# Altium PCB PCB_2_LAYER.PcbDoc (part 2 of 2)
Units mm, origin at the board's own origin, x right, y up, seen from the top; angles counter-clockwise.
Board outline 124.97 x 105.28 mm, 2 copper layers (Top Layer, Bottom Layer); 125 components, 113 nets, 460 pads, 197 vias.
Unrouted connection lines stored in the file: 136.
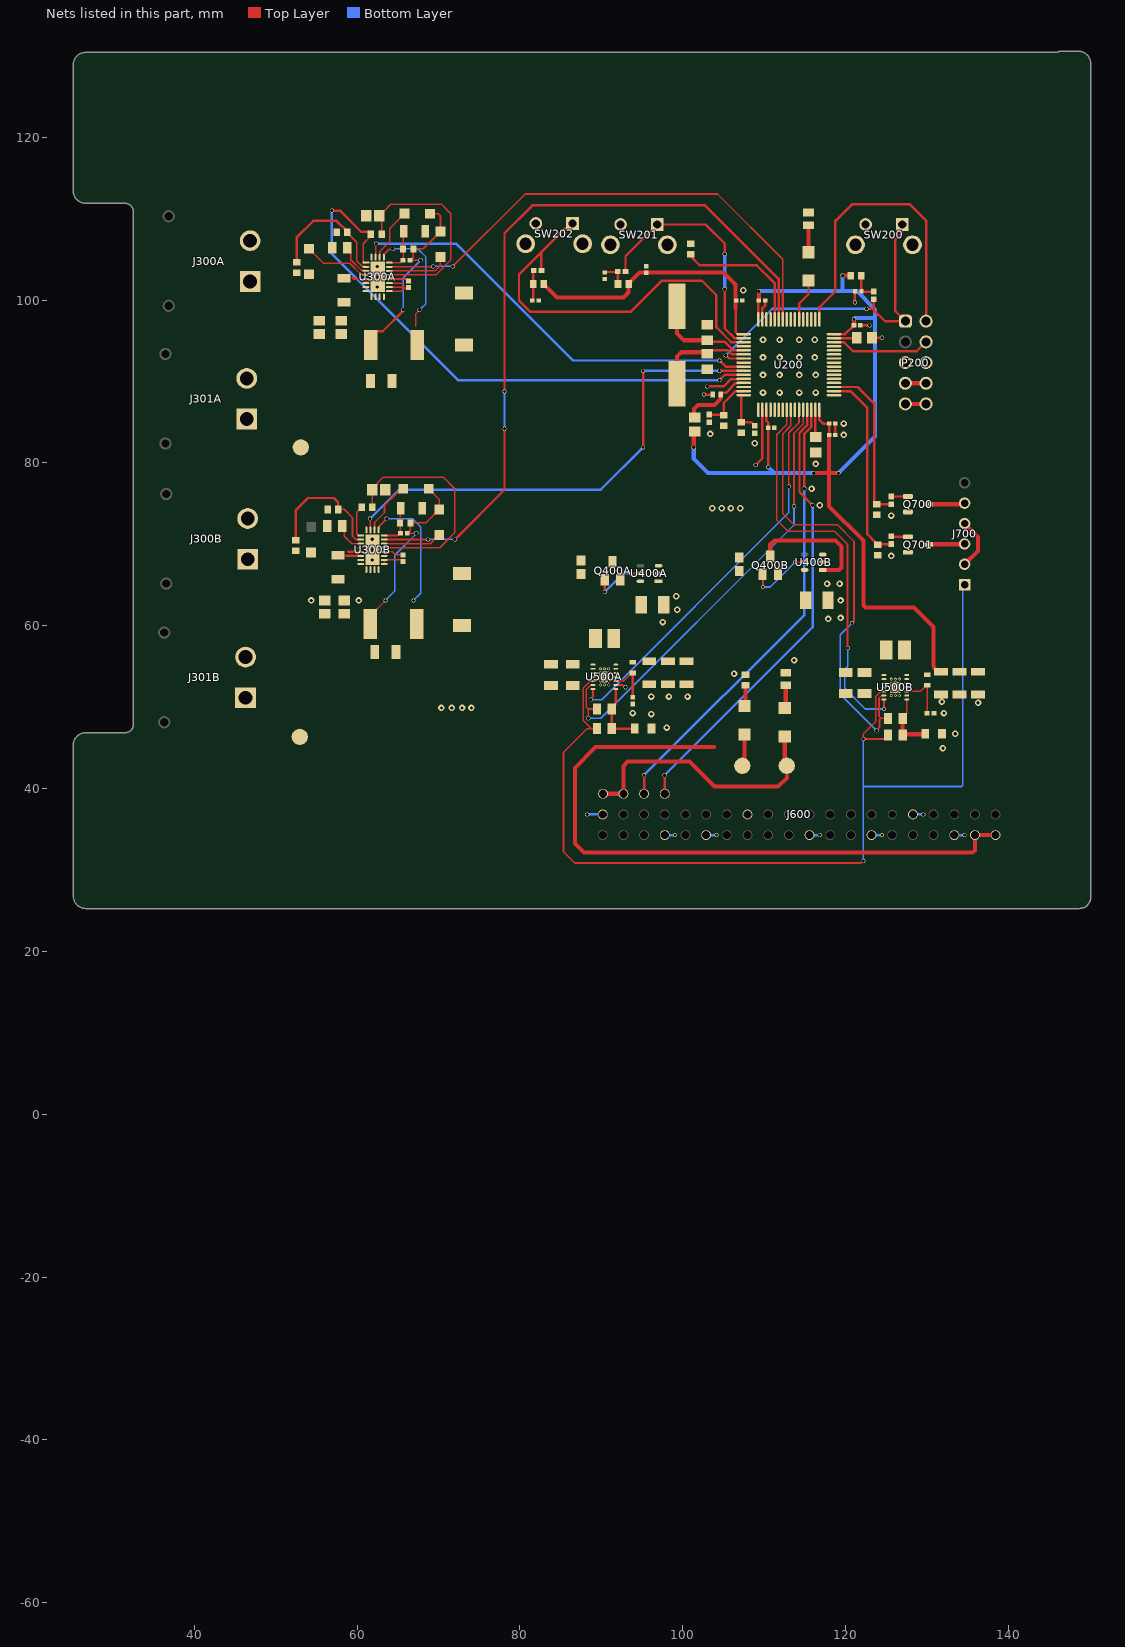
[diagram p2: the nets of this part, all layers, seen from the top]

## Via types
v1: diameter 0.5, hole 0.4, Top Layer to Bottom Layer, tented both sides, 65 vias
v2: diameter 0.8, hole 0.4, Top Layer to Bottom Layer, tented both sides, 63 vias
v3: diameter 0.5, hole 0.5, Top Layer to Bottom Layer, 35 vias
v4: diameter 0.35, hole 0.2, Top Layer to Bottom Layer, 30 vias
v5: diameter 5, hole 3.1, Top Layer to Bottom Layer, 4 vias

## Nets (pads, with @x,y where several pads share a name; then routed paths per layer and width w, separated by ;. In a path a pad name is that pad's centre, name@x,y a point inside that pad or via, vN(x,y) a via of type N, cw(c..) or ccw(c..) an arc to the next point about the centre after c; other vN are vias at no path point)
3,3V: C200.2 C201.2 C202.2 C203.2 C204.2 C205.2 C214.2 C502B.2 C503B.2 C504B.2 D701.2 J600.41 J600.42 L200.1 R204.2 R205.2 R206.2 R501B.2 TP700A.1 U200.1 U200.19 U200.32 U200.48 U200.64 U500B.4 U500B.5 | length 188.2
  Top Layer w0.3: 106.501,98.985 106.501,96.055 106.73,95.826 U200.1@107.48,95.826 ; U200.64@109.28,97.626 109.28,98.376 C205.2@109.28,99.91 ; U200.19@110.28,86.526 110.28,85.173 110.491,84.962 C201.2@110.491,84.328 C201.2@110.491,84.328 v1(110.49,79.502) ; U200.32@116.78,86.526 116.78,85.277 117.221,84.836 C202.2@117.984,84.836 C203.2@117.984,83.439 ; U200.48@118.58,95.826 119.888,95.826 119.937,95.826 121.012,96.901 C204.2@121.032,96.901
  Top Layer w0.5: R206.2@82.931,101.981 82.931,101.906 83.081,101.756 83.156,101.756 84.582,100.33 92.71,100.33 93.345,100.965 93.345,102.056 94.667,103.378 105.029,103.378 106.501,101.906 106.501,98.985 ; J600.41@90.208,39.37 J600.42@92.71,39.37 92.71,42.799 93.218,43.307 100.838,43.307 103.886,40.259 111.721,40.259 112.776,41.314 112.776,41.529 ; v1(101.346,81.915) 101.346,83.722 L200.1@101.473,83.849 ; v1(109.347,101.092) v1(109.347,101.092) C205.2@109.348,99.949 ; D701.2@112.522,46.383 112.522,43.053 TP700A.1@112.776,42.799 ; v1(116.078,78.74) 117.729,78.74 117.984,78.995 ; C203.2@117.984,83.439 117.984,78.995 ; v1(119.126,78.74) 118.239,78.74 117.984,78.995 ; v1(119.634,102.997) R204.2@120.635,102.997 ; v1(121.031,97.663) C204.2@121.032,96.901 C204.2@121.032,96.901 ; C502B.2@131.699,54.359 131.324,54.359 130.937,54.746 130.937,54.864 130.775,55.026 130.775,59.852 128.397,62.23 122.467,62.23 122.174,62.523 122.174,70.485 117.984,74.675 117.984,78.995
  Bottom Layer w0.5: v1(101.346,81.915) 101.346,80.518 103.124,78.74 111.252,78.74 ; v1(109.347,101.092) 119.634,101.092 ; v1(110.49,79.502) 111.252,78.74 ; v1(116.078,78.74) 111.252,78.74 ; v1(119.126,78.74) 123.636,83.25 123.636,97.79 ; v1(119.634,102.997) 119.634,101.092 ; v1(121.031,97.663) 121.158,97.79 123.636,97.79 ; 119.634,101.092 121.386,101.092 123.636,98.842 123.636,97.79
3,3VDDA: C206.2 L200.2 U200.13 | length 8.7
  Top Layer w0.3: C206.2@104.778,88.607 105.304,88.607 106.494,89.797 106.956,89.797 106.985,89.826 U200.13@107.48,89.826
  Top Layer w0.5: L200.2@101.092,85.569 101.358,85.835 101.358,86.626 101.854,87.122 103.9,87.122 104.618,87.84 104.618,88.362 C206.2@104.648,88.392
5V: C502A.2 C503A.2 C504A.2 D702.2 J600.2 J600.4 R501A.2 TP700B.1 U500A.4 U500A.5 | length 85.5
  Top Layer w0.5: 103.859,45.085 89.281,45.085 86.741,42.545 86.741,33.274 87.884,32.131 135.597,32.131 135.89,32.424 J600.4@135.89,34.29 J600.2@138.43,34.29 ; TP700B.1@107.315,42.799 107.569,43.053 D702.2@107.569,46.637
BIAS: NT3A.1 U300A.18 | length 7.6
  Top Layer w0.2: U300A.18@63.968,103.592 66.925,103.592 66.927,103.59 69.57,103.59 70.21,104.23 70.21,105.262 NT3A.1@70.231,105.283
"BIAS B": NT3B.1 U300B.18 | length 7.2
  Top Layer w0.2: U300B.18@63.333,70.088 66.308,70.088 66.334,70.062 68.996,70.062 NT3B.1@70.098,71.164
"C LED3V3": D701.1 R704.2 | length 2.7
  Top Layer w0.5: D701.1@112.522,49.883 112.649,50.01 R704.2@112.649,52.578
"C LED5V": D702.1 R706.2 | length 2.6
  Top Layer w0.5: D702.1@107.569,50.137 107.696,50.264 R706.2@107.696,52.705
"C LED USE": D700.1 R705.2 | length 3.3
  Top Layer w0.5: D700.1@115.443,105.89 R705.2@115.443,109.207
EN: NT1A.2 U300A.4 | length 8.3
  Top Layer w0.2: NT1A.2@54.102,106.299 55.88,104.521 59.106,104.521 60.486,103.14 61.079,103.14 U300A.4@61.087,103.132
"EN B": NT1B.2 U300B.4 | length 7.2
  Top Layer w0.2: NT1B.2@54.356,72.136 56.261,70.231 58.635,70.231 59.278,69.588 U300B.4@60.452,69.588
"EN B": J700.1 R502A.1 R502B.1 U500A.12 U500B.12 | length 124.5
  Top Layer w0.2: U500A.12@88.977,53.221 88.969,53.213 88.63,53.213 87.757,52.341 87.757,48.387 88.773,47.371 ; R502A.1@89.48,47.371 88.773,47.371 ; v1(122.174,31.115) 122.161,31.115 121.907,30.861 86.741,30.861 85.344,32.258 85.344,44.45 88.265,47.371 88.773,47.371 ; U500B.12@124.708,51.943 124.7,51.935 124.329,51.935 123.708,51.314 123.708,50.048 123.698,50.038 123.698,48.231 122.174,46.707 v1(122.174,46.101) 124.811,46.101 125.211,46.501 R502B.1@125.211,46.609
  Bottom Layer w0.2: v1(122.174,31.115) 122.174,40.259 ; v1(122.174,46.101) 122.174,40.259 ; J700.1@134.62,65.057 134.366,64.803 134.366,40.376 134.249,40.259 122.174,40.259
FB: C303A.2 R303A.1 R306A.2 U300A.20 | length 5.1
  Top Layer w0.2: U300A.20@63.968,104.592 65.324,104.592 65.634,104.902 R303A.1@65.659,104.902 C303A.2@65.659,106.299 R306A.2@65.659,108.204
"FB B": C303B.2 R303B.1 R306B.2 U300B.20 | length 5.3
  Top Layer w0.2: U300B.20@63.333,71.088 65.006,71.088 65.292,71.374 R303B.1@65.317,71.374 65.317,72.742 65.288,72.771 65.288,74.487 R306B.2@65.35,74.549
"FB TPS": R501A.1 R503A.2 U500A.3 | length 5.4
  Top Layer w0.2: U500A.3@91.777,53.221 92.76,53.221 93.753,54.214 R501A.1@93.853,54.214 ; R503A.2@93.867,51.181 R503A.2@93.892,51.181
  Top Layer w0.3: R503A.2@93.853,51.283 R501A.1@93.853,54.214
"FB TPS B": R501B.1 R503B.2 U500B.3 | length 6.3
  Top Layer w0.2: U500B.3@127.508,51.943 129.201,51.943 129.948,52.69 R501B.1@130.048,52.69 130.026,52.668 130.026,49.298 R503B.2@130.004,49.276
G1: Q700.1 R700.2 | length 2
  Top Layer w0.3: R700.2@125.603,75.88 Q700.1@127.65,75.88
G2: R702.1 R703.2 U200.34 | length 24
  Top Layer w0.3: U200.34@118.58,88.826 120.597,88.826 122.682,86.741 122.682,71.247 123.627,70.302 123.627,70.227 123.877,69.977 R703.2@123.952,69.977 123.985,70.01 125.57,70.01 R702.1@125.603,70.043
GND: C200.1 C201.1 C202.1 C203.1 C204.1 C205.1 C206.1 C207.2 C208.2 C209.2 C210.2 C211.2 C212.2 C213.2 C214.1 C301A.2 C301B.2 C304A.2 C304B.2 C305A.2 C305B.2 C306A.1 C306B.1 C400A.2 C400B.2 C401A.2 C401B.2 C500A.1 C500B.1 C501A.1 C501B.1 C502A.1 C502B.1 C503A.1 C503B.1 C504A.1 C504B.1 C505A.2 C505B.2 J300A.N J300B.N J301A.N J301B.N J600.6 J600.9 J600.14 J600.20 J600.25 J600.30 J600.34 J600.39 P200.5 P200.6 Q700.2 Q701.2 R202.1 R203.1 R210.1 R304A.2 R304B.2 R305A.1 R305B.1 R306A.1 R306B.1 R503A.1 R503B.1 R701.1 R703.1 R704.1 R705.1 R706.1 SW200.2 SW200.3 SW200.4 SW201.2 SW201.3 SW201.4 SW202.2 SW202.3 SW202.4 U200.12 U200.18 U200.63 U300A.7 U300A.8 U300A.9 U300A.10 U300A.11 U300A.12 U300A.25 U300B.7 U300B.8 U300B.9 U300B.10 U300B.11 U300B.12 U300B.25 U400A.2 U400A.3 U400B.2 U400B.3 U500A.2 U500A.15 U500B.2 U500B.15 | length 30.8
  Top Layer w0.2: U500A.2@91.777,52.721 92.613,52.721 92.883,52.451 v1(92.964,52.451)
  Top Layer w0.3: v1(102.616,88.392) C206.1@103.678,88.392 ; v1(102.997,89.408) 105.029,89.408 105.918,90.297 U200.12@106.807,90.297 ; v1(108.966,79.756) 109.78,80.57 U200.18@109.78,86.526 ; U200.63@109.78,97.626 109.78,98.996 110.108,99.324 C205.1@110.108,99.949 ; C203.1@118.744,83.439 C202.1@118.744,84.836 ; C207.2@121.139,101.092 121.149,101.082 121.149,99.704 v1(121.158,99.695) ; C204.1@121.792,96.901 v1(122.936,96.901) ; C212.2@123.255,95.374 123.259,95.377 v1(124.46,95.377)
  Bottom Layer w0.3: v1(88.265,36.83) J600.39@90.17,36.83 ; J600.34@97.79,34.29 v1(99.06,34.29) ; J600.30@102.87,34.29 v1(104.14,34.29) ; J600.20@115.57,34.29 v1(116.84,34.29) ; J600.14@123.19,34.29 v1(124.46,34.29) ; J600.9@128.27,36.83 v1(129.54,36.83) ; J600.6@133.35,34.29 v1(134.62,34.29)
  other v2: 131.953,44.958 133.477,46.736 98.044,47.498 96.139,49.149 93.853,49.276 132.08,49.276 136.271,50.546 131.826,50.673 96.139,51.308 98.298,51.308 100.584,51.308 106.299,54.102 113.665,55.753 97.536,60.452 117.856,60.833 119.38,60.96 99.314,61.976 54.356,63.119 60.198,63.119 119.38,63.119 99.187,63.627 117.729,65.151 119.253,65.151 61.849,68.072 125.603,68.58 61.893,69.338 61.849,70.612 125.603,73.533 116.84,74.803 115.824,76.835 116.332,79.883 108.839,82.423 119.761,83.439 103.378,83.566 119.761,84.836 109.855,88.646 111.887,88.646 114.3,88.646 116.332,88.646 109.855,90.805 111.887,90.805 114.3,90.805 116.332,90.805 109.855,92.964 111.887,92.964 114.3,92.964 116.205,92.964 109.855,95.123 111.887,95.123 114.3,95.123 116.205,95.123 107.442,101.219 62.484,101.6 62.528,102.842 62.484,104.14
  other v4: 125.608,51.443 126.108,51.443 126.608,51.443 125.608,51.943 126.108,51.943 126.608,51.943 125.608,52.443 126.108,52.443 126.608,52.443 89.877,52.721 90.377,52.721 90.877,52.721 125.608,52.943 126.108,52.943 126.608,52.943 89.877,53.221 90.377,53.221 90.877,53.221 125.608,53.443 126.108,53.443 126.608,53.443 89.877,53.721 90.377,53.721 90.877,53.721 89.877,54.221 90.377,54.221 90.877,54.221 89.877,54.721 90.377,54.721 90.877,54.721
ICTRL: U300A.24
"ICTRL B": U300B.24
INTVcc: C306A.2 R302A.2 U300A.17 | length 26.4
  Top Layer w0.2: R302A.2@63.007,107.95 63.007,110.094 C306A.2@62.738,110.363 62.738,110.438 63.288,110.988 63.363,110.988 64.135,111.76 70.358,111.76 71.501,110.617 71.501,104.929 69.664,103.092 U300A.17@63.968,103.092
"INTVcc B": C306B.2 R302B.2 U300B.17 | length 28.5
  Top Layer w0.2: R302B.2@61.849,74.549 C306B.2@61.849,76.708 61.849,76.783 62.499,77.433 62.499,77.557 63.174,78.232 70.622,78.232 72.009,76.845 72.009,71.451 70.146,69.588 U300B.17@63.333,69.588
ISN: NT2A.1 U300A.22 | length 6.6
  Top Layer w0.2: U300A.22@62.778,105.283 62.786,105.291 62.786,105.966 64.008,107.188 64.008,108.801 NT2A.1@65.83,110.623
"ISN B": NT2B.1 U300B.22 | length 6.7
  Top Layer w0.2: U300B.22@62.143,71.779 62.143,72.684 63.373,73.914 63.373,74.803 64.92,76.35 65.174,76.35 NT2B.1@65.659,76.835
ISP: C302A.1 L300A.2 R300A.1 U300A.21 | length 15.2
  Top Layer w0.2: U300A.21@63.277,105.283 63.277,105.573 63.946,106.242 64.332,106.242 v1(64.389,106.299) ; 67.183,96.774 67.183,98.298 v1(67.691,98.806)
  Bottom Layer w0.2: v1(64.389,106.299) 67.437,106.299 68.453,105.283 68.453,99.568 v1(67.691,98.806)
"ISP B": C320B.1 L300B.2 R300B.1 U300B.21 | length 16.3
  Top Layer w0.2: U300B.21@62.643,71.779 62.651,71.787 62.651,72.176 v1(63.627,73.152)
  Top Layer w0.5: L300B.2@72.644,59.704 L300B.2@72.644,59.919 ; L300B.2@72.683,59.831 L300B.2@72.898,60.046
  Bottom Layer w0.2: v1(63.627,73.152) 66.802,73.152 67.818,72.136 67.818,64.008 v1(66.929,63.119)
NetC210_1: C210.1 U200.6 Y200.1 | length 11.4
  Top Layer w0.3: C210.1@102.994,93.402 103.444,93.852 104.647,93.852 104.651,93.856 105.494,93.856 106.024,93.326 U200.6@106.684,93.326
  Top Layer w0.5: Y200.1@99.314,89.738 99.314,93.091 99.822,93.599 102.796,93.599 C210.1@102.994,93.402
NetC211_1: C211.1 U200.5 Y200.2 | length 12.4
  Top Layer w0.3: C211.1@103,95.066 103.198,94.869 105.188,94.869 106.231,93.826 U200.5@107.48,93.826
  Top Layer w0.5: Y200.2@99.314,99.238 99.314,95.885 100.133,95.066 C211.1@103,95.066
NetC212_1: C212.1 U200.47 | length 2.4
  Top Layer w0.3: U200.47@118.58,95.326 120.927,95.326 C212.1@120.974,95.374
NetC213_1: C213.1 U200.31 | length 3.4
  Top Layer w0.2: C213.1@116.28,83.237 C213.1@116.332,83.185
  Top Layer w0.3: C213.1@116.28,83.237 U200.31@116.28,86.526
NetC300A_1: C300A.1 U300A.16 | length 2.4
  Top Layer w0.2: U300A.16@63.968,102.592 66.064,102.592 C300A.1@66.294,102.362
NetC300B_1: C300B.1 U300B.16 | length 2.5
  Top Layer w0.2: U300B.16@63.333,69.088 64.357,69.088 64.738,68.707 C300B.1@65.659,68.707
NetC302A_2: C302A.2 C303A.1 C304A.1 C305A.1 C400A.1 J301A.P NT2A.2 NT3A.2 Q400A.3 R200.2 R300A.2 R303A.2 TP300A.1 U400A.1 | length 23.8
  Top Layer w0.2: R303A.2@66.509,104.902 R303A.2@66.534,104.902 ; v1(67.818,104.902) R303A.2@66.534,104.902 ; NT2A.2@68.961,110.617 69.977,110.617 70.237,110.357 NT3A.2@70.237,108.414 69.109,107.286 69.109,107.284 68.124,106.299 C303A.1@66.909,106.299 66.909,105.277 R303A.2@66.534,104.902
  Top Layer w0.3: R300A.2@61.661,94.488 61.661,95.503 62.336,96.178 63.158,96.178 65.559,98.579 65.559,98.652 65.659,98.752 v1(65.659,98.806)
  Bottom Layer w0.2: v1(65.659,98.806) 65.659,102.743 v1(67.818,104.902)
NetC303B_1: C303B.1 C304B.1 C305B.1 C320B.2 C400B.1 J301B.P NT2B.2 NT3B.2 Q400B.3 R201.2 R300B.2 R303B.2 TP300B.1 U400B.1 | length 39.3
  Top Layer w0.2: R300B.2@61.6,60.198 61.6,61.213 63.5,63.113 v1(63.5,63.119) ; R303B.2@66.167,71.374 R303B.2@66.192,71.374 ; v1(67.268,71.374) R303B.2@66.192,71.374 ; NT2B.2@68.79,76.829 70.104,75.515 NT3B.2@70.104,74.295 68.453,72.644 C303B.1@66.538,72.644 66.538,71.72 R303B.2@66.192,71.374
  Top Layer w0.5: R300B.2@61.474,59.818 R300B.2@61.6,59.944 ; Q400B.3@110.744,68.537 110.744,69.977 111.252,70.485 118.745,70.485 119.507,69.723 119.507,67.161 119.214,66.868 U400B.1@117.193,66.868
  Bottom Layer w0.2: v1(63.5,63.119) 64.643,64.262 64.643,68.665 67.121,71.143 67.121,71.146 67.268,71.293 v1(67.268,71.374)
  other v2: 70.358,49.911 71.628,49.911 72.898,49.911 74.041,49.911 103.632,74.422 104.775,74.422 105.918,74.422 107.061,74.422
NetC401A_1: 
NetC401B_1: 
NetD700_2: D700.2 U200.54 | length 5.2
  Top Layer w0.3: U200.54@114.28,97.626 114.28,99.548 115.443,100.711 D700.2@115.443,102.39
NetL500A_1: L500A.1 U500A.6 U500A.7
NetL500A_2: L500A.2 U500A.8 U500A.9
NetL500B_1: L500B.1 U500B.6 U500B.7
NetL500B_2: L500B.2 U500B.8 U500B.9
NetQ400A_1: Q400A.1 U400A.5 | length 6.8
  Top Layer w0.3: v1(90.424,64.135) Q400A.1@90.424,65.659 ; v1(93.599,66.421) U400A.5@94.797,66.421
  Bottom Layer w0.3: v1(90.424,64.135) 92.71,66.421 v1(93.599,66.421)
NetQ400B_1: Q400B.1 U400B.5 | length 8
  Top Layer w0.2: Q400B.1@109.794,66.337 109.855,66.276 v1(109.855,64.77) ; v1(113.792,67.818) U400B.5@114.963,67.818
  Bottom Layer w0.2: v1(109.855,64.77) 110.744,64.77 v1(113.792,67.818)
NetQ701_1: Q701.1 R702.2 | length 2.1
  Top Layer w0.3: R702.2@125.603,70.993 125.636,70.96 127.617,70.96 Q701.1@127.65,70.927
NetR210_2: R210.2 U200.60 | length 16.1
  Top Layer w0.3: R210.2@100.965,105.395 102.093,104.267 109.093,104.267 111.28,102.08 U200.60@111.28,97.626
NetR302A_1: R302A.1 U200.11 U300A.1 | length 72.2
  Top Layer w0.2: U300A.1@61.087,104.592 60.793,104.592 60.771,104.613 60.771,106.939 R302A.1@61.707,107.875
  Top Layer w0.3: v1(56.896,110.998) 57.906,110.998 60.502,108.402 61.457,108.402 61.707,108.152 R302A.1@61.707,108.077 ; v1(104.521,90.17) 105.156,90.805 U200.11@107.061,90.805
  Bottom Layer w0.3: v1(56.896,110.998) 56.896,105.664 72.39,90.17 v1(104.521,90.17)
NetR500A_1: R500A.1 U200.28 U500A.13 | length 55.5
  Top Layer w0.2: v1(88.392,48.641) 88.392,49.784 ; U500A.13@88.977,52.721 88.969,52.713 88.695,52.713 88.157,52.175 88.157,50.019 88.392,49.784 ; R500A.1@89.48,49.784 88.392,49.784 ; v1(113.665,74.676) 113.665,83.656 114.78,84.771 U200.28@114.78,86.526
  Bottom Layer w0.2: v1(88.392,48.641) 89.932,48.641 113.665,72.374 v1@113.665,74.66
NetR500B_1: R500B.1 U200.25 U500B.13 | length 55.1
  Top Layer w0.2: U200.25@113.28,86.526 113.28,84.578 112.268,83.566 112.268,73.787 113.665,72.39 118.999,72.39 121.031,70.358 121.031,60.592 120.777,60.338 v1(120.777,60.325) ; v1(123.825,47.117) 123.825,47.198 124.165,47.538 124.165,48.473 124.333,48.641 ; U500B.13@124.708,51.443 124.517,51.443 124.437,51.363 124.354,51.363 124.108,51.117 124.108,48.866 124.333,48.641 ; R500B.1@125.211,48.641 124.333,48.641
  Bottom Layer w0.2: v1(120.777,60.325) 119.338,58.886 119.338,51.604 v1(123.825,47.117)
NetR700_1: R700.1 R701.2 U200.35 | length 20.1
  Top Layer w0.3: U200.35@118.58,89.326 121.49,89.326 121.666,89.15 123.5,87.316 123.5,75.195 123.757,74.937 125.596,74.937 R700.1@125.603,74.93 R700.1@125.594,74.921
NetU200_9: U200.9 U300A.23 | length 53
  Top Layer w0.2: U300A.23@62.277,105.299 62.277,106.773 62.357,106.853 v1(62.357,106.934)
  Top Layer w0.3: v1(104.521,92.583) 105.278,91.826 U200.9@107.48,91.826
  Bottom Layer w0.3: v1(62.357,106.934) 72.15,106.934 86.501,92.583 v1(104.521,92.583)
NetU200_10: U200.10 U300B.23 | length 60.4
  Top Layer w0.2: v1(61.595,73.152) 61.634,73.113 61.634,71.787 U300B.23@61.643,71.779
  Top Layer w0.3: v1(95.123,81.915) v1(95.123,91.313) ; v1(104.521,91.313) U200.10@107.55,91.313
  Bottom Layer w0.3: v1(61.595,73.152) 65.151,76.708 89.916,76.708 v1(95.123,81.915) ; v1(95.123,91.313) v1(104.521,91.313)
NetU200_24: U200.24 U500B.14 | length 48.9
  Top Layer w0.2: U200.24@112.78,86.526 112.78,84.713 111.53,83.463 111.53,73.001 112.903,71.628 118.618,71.628 120.227,70.019 120.227,57.319 v1(120.269,57.277) ; U500B.14@124.708,50.943 124.711,50.94 124.711,49.795 v1(124.728,49.778)
  Bottom Layer w0.2: v1(120.269,57.277) 120.269,55.014 119.888,54.633 119.888,52.324 122.428,49.784 124.722,49.784 v1(124.728,49.778)
NetU200_27: U200.27 U500A.14 | length 48.4
  Top Layer w0.2: v1(88.707,50.927) 88.707,51.008 88.977,51.278 U500A.14@88.977,52.221 ; v1(113.03,77.089) 113.03,83.693 114.28,84.943 U200.27@114.28,86.526
  Bottom Layer w0.2: v1(88.707,50.927) 90.043,50.927 113.03,73.914 v1(113.03,77.089)
NRST: P200.1 R207.2 SW200.1 U200.7 | length 41.4
  Top Layer w0.3: v1(105.283,93.218) 105.337,93.218 105.729,92.826 U200.7@107.48,92.826 ; v1(122.555,98.933) 123.444,98.933 ; R207.2@123.444,100.109 123.444,98.933 ; SW200.1@126.964,109.288 126.908,109.232 126.908,108.239 126.111,107.442 126.111,98.637 P200.1@127.339,97.409 125.777,97.409 125.775,97.406 124.844,97.406 123.444,98.806 123.444,98.933
  Bottom Layer w0.3: v1(105.283,93.218) 110.998,98.933 v1(122.555,98.933)
"NRST NDB": C207.1 R204.1 R207.1 | length 3.5
  Top Layer w0.3: R204.1@121.935,102.997 121.937,102.995 121.937,101.061 121.986,101.012 123.397,101.012 R207.1@123.444,101.059
PA0: U200.14
PA3: U200.17
PA4: U200.20
PA5: U200.21
PA6: U200.22
PA7: U200.23
PA8: U200.41
PA9: U200.42
PA10: U200.43
PA11: U200.44
PA12: U200.45
PA15: U200.50
PB0: U200.26
PB3: U200.55
PB4: U200.56
PB5: U200.57
PB8: U200.61
PB9: U200.62
PB12: U200.33
PB15: U200.36
PC0: U200.8
PC6: U200.37
PC7: U200.38
PC8: U200.39
PC9: U200.40
PC10: U200.51
PC11: U200.52
PC12: U200.53
PC15: U200.4
PG: U200.58 U300A.19 | length 62.7
  Top Layer w0.2: U300A.19@63.968,104.092 63.976,104.1 69.302,104.1 v1(69.342,104.14) ; v1(71.755,104.14) 80.645,113.03 104.267,113.03 112.28,105.017 112.28,100.977
  Top Layer w0.3: U200.58@112.28,97.626 112.28,100.977
  Bottom Layer w0.2: v1(69.342,104.14) v1(71.755,104.14)
"PG B": U200.59 U300B.19 | length 92.6
  Top Layer w0.2: U300B.19@63.333,70.588 63.341,70.596 68.691,70.596 v1(68.707,70.612)
  Top Layer w0.3: v1(72.009,70.612) 78.105,76.708 v1(78.105,84.201) ; v1(78.105,88.773) 78.105,108.204 81.534,111.633 102.743,111.633 111.78,102.596 U200.59@111.78,97.626
  Bottom Layer w0.2: v1(68.707,70.612) v1(72.009,70.612)
  Bottom Layer w0.3: v1(78.105,84.201) v1(78.105,88.773)
"POWER O1": J700.5 Q700.3 | length 4.5
  Top Layer w0.5: Q700.3@130.16,74.93 134.493,74.93 J700.5@134.62,75.057
"POWER O2": J700.3 Q701.3 | length 4.5
  Top Layer w0.5: Q701.3@130.16,69.977 130.2,70.017 134.58,70.017 J700.3@134.62,70.057
RT: R305A.2 U300A.3 | length 4
  Top Layer w0.2: R305A.2@58.801,106.426 59.226,106.001 59.226,104.966 60.552,103.64 61.079,103.64 U300A.3@61.087,103.632
"RT B": R305B.2 U300B.3 | length 3.5
  Top Layer w0.2: R305B.2@58.42,72.063 58.42,71.012 59.336,70.096 60.444,70.096 U300B.3@60.452,70.088
RX: J600.43 U200.30 | length 55.7
  Top Layer w0.3: J600.43@95.25,39.37 v1(95.25,41.656) ; v1(114.935,76.835) 114.935,83.583 115.78,84.428 115.78,85.179 U200.30@115.78,86.526
  Bottom Layer w0.3: v1(95.25,41.656) 114.935,61.341 v1(114.935,76.835)
SW: C300A.2 L300A.1 U300A.13 U300A.14 U300A.15 | length 6.5
  Top Layer w0.2: U300A.13@63.968,101.092 65.405,101.092 65.786,101.473 ; U300A.14@63.968,101.592 65.667,101.592 ; U300A.15@63.968,102.092 65.421,102.092 65.711,101.802 65.711,101.636 65.667,101.592 ; C300A.2@66.294,101.562 66.205,101.473 65.786,101.473 ; 65.667,101.592 65.786,101.473
"SW B": C300B.2 L300B.1 U300B.13 U300B.14 U300B.15 | length 2.9
  Top Layer w0.2: U300B.15@63.333,68.588 U300B.15@63.341,68.58 ; U300B.13@63.341,67.596 U300B.13@63.333,67.588 U300B.14@63.333,68.088 65.478,68.088 C300B.2@65.659,67.907
SWCLK: P200.2 U200.49 | length 38.1
  Top Layer w0.3: U200.49@116.78,97.626 116.78,99.127 118.745,101.092 118.745,109.728 120.777,111.76 127.889,111.76 129.879,109.77 P200.2@129.879,97.409
SWDIO: P200.4 U200.46 | length 12.2
  Top Layer w0.3: U200.46@118.58,94.826 119.804,94.826 120.911,93.719 128.729,93.719 P200.4@129.879,94.869
"SYNC CHRGR": R302B.1 U300B.1 | length 4.1
  Top Layer w0.2: U300B.1@60.452,71.088 60.158,71.088 59.944,71.302 59.944,73.944 60.174,74.174 60.249,74.174 60.549,74.474 R302B.1@60.549,74.549
TR/SS: R301A.2 R304A.1 U300A.2 | length 16.2
  Top Layer w0.2: R304A.1@58.801,108.331 58.801,108.256 59.944,107.113 59.944,104.814 60.618,104.14 61.079,104.14 U300A.2@61.087,104.132
  Top Layer w0.3: R301A.2@52.578,104.648 52.578,107.696 54.61,109.728 57.479,109.728 58.801,108.406 R304A.1@58.801,108.331
"TR/SS B": R301B.2 R304B.1 U300B.2 | length 16.1
  Top Layer w0.2: R304B.1@57.927,74.295 58.42,74.295 59.436,73.279 59.436,70.993 59.833,70.596 60.444,70.596 U300B.2@60.452,70.588
  Top Layer w0.3: R301B.2@52.451,70.5 52.451,74.168 53.975,75.692 57.15,75.692 57.658,75.184 57.658,74.639 57.927,74.37 R304B.1@57.927,74.295
TX: J600.44 U200.29 | length 55.7
  Top Layer w0.3: J600.44@97.79,39.37 v1(97.79,41.656) ; U200.29@115.28,86.526 115.28,84.635 114.335,83.69 114.335,76.419 v1(115.951,74.803)
  Bottom Layer w0.3: v1(97.79,41.656) 115.951,59.817 v1(115.951,74.803)
"USER BUTTON 0": R208.2 SW201.1 U200.2 | length 29.9
  Top Layer w0.3: R208.2@92.964,103.505 92.964,105.387 SW201.1@96.865,109.288 102.802,109.288 105.156,106.934 v1(105.156,105.664) ; v1(105.156,101.346) 105.156,96.52 106.35,95.326 U200.2@107.48,95.326
  Bottom Layer w0.4: v1(105.156,101.346) v1(105.156,105.664)
"USER BUTTON 1": R209.2 SW202.1 U200.3 | length 49.8
  Top Layer w0.3: R209.2@82.644,103.632 82.644,105.885 ; SW202.1@86.451,109.415 85.826,108.79 85.549,108.79 82.644,105.885 ; U200.3@107.48,94.826 105.958,94.826 104.121,96.663 104.121,100.603 102.336,102.388 97.435,102.388 93.599,98.552 81.28,98.552 79.883,99.949 79.883,103.124 82.644,105.885
"USRB0 NDB": C208.1 R205.1 R208.1 | length 3.2
  Top Layer w0.3: C208.1@90.424,103.397 90.478,103.451 91.96,103.451 R208.1@92.014,103.505 92.03,103.49 92.03,101.996 R205.1@92.045,101.981
"USRB1 NDB": C209.1 R206.1 R209.1 | length 3.8
  Top Layer w0.3: C209.1@81.515,99.949 81.631,100.065 R206.1@81.631,101.981 81.663,102.012 81.663,103.601 R209.1@81.694,103.632
"V DIODE1": C401A.1 C500A.2 C501A.2 Q400A.2 U400A.6 U500A.10 U500A.11
"V DIODE2": C401B.1 C500B.2 C501B.2 Q400B.2 U400B.6 U500B.10 U500B.11
"VBAT1 DIV": R200.1 R202.2 U200.15 | length 6.3
  Top Layer w0.3: R202.2@103.251,85.946 103.298,85.899 104.982,85.899 R200.1@105.029,85.852 ; R200.1@105.152,85.979 105.029,86.102 105.029,87.376 106.479,88.826 U200.15@107.48,88.826
"VBAT2 DIV": R201.1 R203.2 U200.16 | length 5
  Top Layer w0.3: 107.188,88.17 R201.1@107.188,84.978 108.443,84.978 108.639,84.782 108.664,84.782 108.839,84.607 R203.2@108.839,84.582
VBUS: J700.2 J700.4 | length 6.6
  Top Layer w0.5: J700.4@134.62,72.557 136.271,70.906 136.271,69.208 J700.2@134.62,67.557 J700.2@134.864,67.557
VCC: P200.7 P200.8 P200.9 P200.10 | length 5.1
  Top Layer w0.5: P200.9@127.339,87.249 P200.10@129.879,87.249 ; P200.7@127.339,89.789 P200.8@129.879,89.789
"VINA TPS": C505A.1 R500A.2 R502A.2 U500A.1 | length 7.9
  Top Layer w0.3: U500A.1@91.777,52.221 91.777,50.456 91.28,49.959 R500A.2@91.28,49.784 R502A.2@91.28,47.371 C505A.1@94.098,47.371
"VINA TPS B": C505B.1 R500B.2 R502B.2 U500B.1 | length 7.4
  Top Layer w0.2: R500B.2@127.011,48.641 127.011,48.816 127.508,49.313 U500B.1@127.508,50.943
  Top Layer w0.5: R500B.2@127.011,48.641 R502B.2@127.011,46.609 127.074,46.672 129.721,46.672 C505B.1@129.785,46.736
VSOLAR: C301A.1 J300A.P NT1A.1 R301A.1 U300A.5 U300A.6 | length 2.4
  Top Layer w0.3: C301A.1@58.882,102.507 C301A.1@59.034,102.355 ; 59.436,102.743 59.587,102.592 U300A.5@61.087,102.592 U300A.6@61.087,102.092
"VSOLAR B": C301B.1 J300B.P NT1B.1 R301B.1 U300B.5 U300B.6 | length 3.3
  Top Layer w0.2: U300B.6@60.452,68.588 60.444,68.596 U300B.6@60.452,68.604
  Top Layer w0.3: 58.674,68.58 58.682,68.588 U300B.6@60.452,68.588 ; 58.928,69.088 U300B.5@60.452,69.088
pads on no net: J300A.S1 J300A.S2 J300B.S1 J300B.S2 J301A.S1 J301A.S2 J301B.S1 J301B.S2 J600.1 J600.3 J600.5 J600.7 J600.8 J600.10 J600.11 J600.12 J600.13 J600.15 J600.16 J600.17 J600.18 J600.19 J600.21 J600.22 J600.23 J600.24 J600.26 J600.27 J600.28 J600.29 J600.31 J600.32 J600.33 J600.35 J600.36 J600.37 J600.38 J600.40 J700.6 P200.3 U400A.4 U400B.4
copper on no net:
  other v3: 29.11,-59 29.11,-59 29.11,-59 146.177,27.305 29.591,27.559 144.74,27.9 147.614,27.9 28.154,28.154 31.028,28.154 144.145,29.337 148.209,29.337 27.559,29.591 31.623,29.591 144.74,30.774 147.614,30.774 28.154,31.028 31.028,31.028 146.177,31.369 29.591,31.623 29.591,123.952 146.177,124.46 28.154,124.547 31.028,124.547 144.74,125.055 147.614,125.055 27.559,125.984 31.623,125.984 144.145,126.492 148.209,126.492 28.154,127.421 31.028,127.421 144.74,127.929 147.614,127.929 29.591,128.016 146.177,128.524
  other v5: 146.177,29.337 29.591,29.591 29.591,125.984 146.177,126.492

## Polygon pours and split planes (outlines as drawn)
"ISP B" on Top Layer "ISP B" (solid, pour order 58): 64.008,55.626 64.135,55.499 65.659,55.499 69.342,59.182 69.342,60.071 68.834,60.579 66.294,60.579 64.008,58.293 64.008,57.658
no net on Top Layer "VSOLARB" (solid, pour order 55): 26.733,129.794 148.273,129.794 149.542,128.524 149.542,27.178 147.892,25.527 26.987,25.527 25.463,27.051 25.463,27.813 25.336,27.94 25.336,45.339 26.226,46.228 32.067,46.228 32.903,47.063 32.903,111.941 32.575,112.268 26.733,112.268 25.463,113.538 25.463,128.524
ISP on Top Layer "ISP" (solid, pour order 57): 63.5,88.9 63.627,88.773 65.151,88.773 68.834,92.456 68.834,93.345 68.326,93.853 65.786,93.853 63.5,91.567 63.5,90.932
GND on Top Layer "GND" (solid, pour order 5): 82.804,53.721 87.122,53.721 87.503,53.34 87.503,52.07 87.249,51.816 82.677,51.816 82.296,52.197 82.296,53.213 82.55,53.467 82.296,53.213 82.55,53.467
5V on Top Layer "5V" (solid, pour order 47): 100.711,55.88 101.092,56.261 104.14,56.261 105.156,55.245 105.156,44.958 105.918,44.196 107.95,44.196 108.585,43.561 108.585,41.91 107.95,41.275 104.521,41.275 103.251,42.545 103.251,54.102 102.616,54.737 100.711,54.737 100.711,55.88 101.029,56.198 101.219,56.198
NetC303B_1 on Top Layer "VBAT2" (solid, pour order 42): 106.045,74.965 106.579,75.692 107.696,75.692 107.696,74.485 107.696,69.956 108.331,69.321 111.379,69.321 111.379,67.67 111.252,67.543 106.68,67.543 106.045,68.107
NetC303B_1 on Top Layer "VBAT2" (solid, pour order 53): 107.569,84.201 107.696,84.074 107.696,74.422 107.569,74.295 106.68,74.295 106.553,74.549 106.553,84.074 106.68,84.201
NetC302A_2 on Top Layer "VBAT1" (solid, pour order 52): 105.664,85.09 105.664,80.645 104.648,79.629 102.362,79.629 99.568,76.835 99.568,68.326 99.187,68.072 98.298,68.072 98.044,68.326 98.044,77.47 101.473,80.899 104.013,80.899 104.394,81.28 104.394,84.836 104.648,85.09
NetC302A_2 on Top Layer "VBAT1" (solid, pour order 51): 93.345,68.707 93.472,68.834 99.187,68.834 99.568,68.453 99.568,65.532 98.933,64.897 96.647,64.897 96.52,65.024 96.52,65.659 96.647,65.786 98.298,65.786 98.679,66.167 98.679,67.564 98.298,67.945 93.599,67.945 93.345,68.199
NetC303B_1 on Top Layer "VBAT2" (solid, pour order 50): 52.07,50.038 53.975,50.038 54.61,49.403 54.61,45.466 53.975,44.831 52.197,44.831 51.562,45.466 51.562,49.53 51.943,49.911
NetC302A_2 on Top Layer "VSOLARB" (solid, pour order 49): 51.689,84.836 51.562,84.709 51.562,81.28 52.451,80.391 54.102,80.391 54.864,81.153 54.864,84.709 54.61,84.963 51.689,84.963 51.562,84.836
3,3V on Top Layer "3.3V" (solid, pour order 48): 136.652,54.991 136.906,54.991 140.081,54.991 141.605,53.467 141.605,43.688 139.446,41.529 111.633,41.529 111.252,41.91 111.252,43.561 111.76,44.069 138.684,43.942 139.7,45.085 139.7,52.451 138.684,53.467 135.297,53.467 135.255,54.991 136.525,54.991
"V DIODE2" on Top Layer "GND" (solid, pour order 9): 119.011,50.8 118.757,51.181 118.757,52.451 119.138,52.832 123.964,52.832 124.218,53.086 124.98,53.086 125.107,52.959 125.107,52.451 125.043,52.324 124.194,52.324 122.948,50.8
"V DIODE2" on Top Layer "V DIODE2" (solid, pour order 45): 118.872,52.209 118.999,52.197 118.872,52.209 117.082,52.209 115.697,53.594 115.697,64.287 115.443,64.389 114.784,64.389 114.646,52.994 116.332,51.308 118.999,51.308 119.253,51.689 119.253,51.997 118.872,52.197
"V DIODE2" on Top Layer "V DIODE2" (solid, pour order 44): 111.252,67.183 115.443,67.183 116.078,66.548 116.078,61.976 115.824,61.722 114.3,61.722 113.792,62.23 113.792,65.024 113.284,65.532 111.252,65.532 110.998,65.786 110.998,66.929 110.998,65.786 110.998,66.929
NetC303B_1 on Top Layer "VBAT2" (solid, pour order 43): 103.124,75.184 106.426,75.184 106.426,73.025 105.664,73.787 103.378,73.787 103.124,74.041
GND on Top Layer "PGND" (solid, pour order 22): 56.642,66.802 56.896,67.056 58.928,67.056 60.071,68.199 60.706,68.199 60.833,68.072 60.833,67.437 58.674,65.278 56.896,65.278 56.642,65.532
"VSOLAR B" on Top Layer "VSOLARB" (solid, pour order 26): 44.831,69.342 45.212,69.723 58.674,69.723 59.055,69.342 59.055,68.326 58.674,67.945 50.546,67.945 49.276,66.675 45.085,66.675 44.831,66.802 44.831,67.056
NetC303B_1 on Top Layer "VBATA" (solid, pour order 32): 54.08,61.341 54.842,62.103 62.335,62.103 62.97,61.468 62.97,50.673 61.573,49.276 45.19,49.276 44.047,50.419 44.047,51.562 45.317,52.832 52.937,52.832 54.08,54.356
"SW B" on Top Layer "SW" (solid, pour order 33): 64.897,68.008 65.087,68.199 73.914,68.199 74.295,67.818 74.295,65.278 74.105,65.087 69.024,65.087 67.564,67.31 65.024,67.31 64.897,67.437
"ISP B" on Top Layer "ISPB" (solid, pour order 34): 65.871,62.103 74.803,62.103 75.311,61.722 75.311,58.293 75.184,58.039 66.125,58.039 65.786,58.547 65.786,61.595 65.786,58.293 65.786,61.976
NetC303B_1 on Top Layer "VBAT2" (solid, pour order 40): 63.54,50.673 74.041,50.673 74.695,50.165 74.695,49.53 74.533,49.276 61.573,49.276 61.214,49.889 61.214,51.054 61.849,51.689 62.524,51.689
"V DIODE1" on Top Layer "V DIODE1" (solid, pour order 38): 91.821,66.358 91.948,66.421 92.837,66.421 92.964,66.294 92.964,65.913 93.091,65.786 95.25,65.786 95.631,65.405 95.631,61.722 95.377,61.341 86.614,61.341 85.979,60.706 85.979,55.457 85.852,55.372 85.471,55.372 85.217,55.541 85.217,61.087 86.36,62.23 91.186,62.23 91.821,62.865
NetC302A_2 on Top Layer "VBAT1" (solid, pour order 35): 60.579,87.249 60.884,87.757 85.725,87.757 87.122,86.36 87.122,69.85 88.138,68.834 93.472,68.834 94.107,68.199 94.107,67.945 93.472,67.31 86.868,67.31 84.836,69.342 84.836,85.471 84.328,85.979 60.96,85.979 60.579,86.487
NetC302A_2 on Top Layer "VBATA" (solid, pour order 31): 54.08,95.885 54.842,96.647 62.335,96.647 62.97,96.012 62.97,87.735 59.182,83.947 45.063,83.947 44.047,84.963 44.047,86.106 45.317,87.376 52.937,87.376 54.08,88.9
ISP on Top Layer "ISPA" (solid, pour order 30): 66.04,97.028 75.057,97.028 75.438,96.647 75.438,92.922 75.057,92.456 66.294,92.456 65.786,92.964 65.786,96.774 65.786,92.964 65.786,96.774
SW on Top Layer "SW" (solid, pour order 29): 65.596,101.663 65.849,101.917 75.248,101.917 76.01,101.155 76.01,99.568 75.755,99.314 70.358,99.314 68.961,100.711 65.913,100.711 65.596,101.028
VSOLAR on Top Layer "VSOLAR" (solid, pour order 27): 45.466,103.505 45.847,103.886 59.309,103.886 59.69,103.505 59.69,102.489 59.309,102.108 51.181,102.108 49.911,100.838 45.72,100.838 45.466,100.965 45.466,101.219
GND on Top Layer "PGND" (solid, pour order 24): 57.34,100.393 57.594,100.647 59.627,100.647 60.77,101.79 61.404,101.79 61.531,101.663 61.531,101.028 59.372,98.87 57.594,98.87 57.34,99.123
NetL500A_1 on Top Layer "GND" (solid, pour order 19): 92.202,59.753 92.456,59.499 92.456,54.8 92.202,54.546 91.567,54.546 91.44,54.673 91.44,56.197 90.678,56.959 90.678,59.499 90.932,59.753 91.059,59.753
NetL500A_2 on Top Layer "GND" (solid, pour order 18): 90.043,59.817 90.297,59.563 90.297,57.023 89.535,56.261 89.535,54.737 89.408,54.61 88.773,54.61 88.265,55.118 88.265,59.563 88.519,59.817
NetL500B_1 on Top Layer "GND" (solid, pour order 17): 127.889,58.547 128.143,58.293 128.143,53.594 127.762,53.213 127.381,53.213 127.127,53.467 127.127,54.991 126.365,55.753 126.365,58.293 126.619,58.547 126.746,58.547
NetL500B_2 on Top Layer "GND" (solid, pour order 16): 125.603,58.547 125.857,58.293 125.857,55.753 125.095,54.991 125.095,53.467 124.968,53.34 124.333,53.34 123.825,53.848 123.825,58.293 124.079,58.547
3,3V on Top Layer "GND" (solid, pour order 11): 136.906,54.991 137.287,54.61 137.287,53.911 136.842,53.467 129.159,53.467 128.016,52.324 127.254,52.324 127.127,52.451 127.127,52.959 127.254,53.086 128.143,53.086 128.651,53.594 128.651,54.737 128.905,54.991 128.651,54.737 128.905,54.991
5V on Top Layer "GND" (solid, pour order 2): 101.219,56.198 101.6,55.816 101.6,55.118 101.155,54.674 93.472,54.674 92.329,53.531 91.567,53.531 91.44,53.658 91.44,54.166 91.567,54.293 92.456,54.293 92.964,54.801 92.964,55.944 93.218,56.198 92.964,55.944 93.218,56.198
"V DIODE1" on Top Layer "GND" (solid, pour order 3): 82.55,55.753 82.931,56.134 87.503,56.134 87.757,55.88 87.757,54.737 88.138,54.356 89.281,54.356 89.408,54.229 89.408,53.721 89.344,53.594 88.138,53.594 87.376,54.356 83.058,54.356 82.55,54.864
GND on Top Layer "GND" (solid, pour order 4): 94.488,52.832 95.25,53.594 101.346,53.594 101.854,53.086 101.854,51.181 101.219,50.546 95.758,50.546 94.488,51.816
GND on Top Layer "GND" (solid, pour order 10): 118.11,54.864 118.564,55.318 122.863,55.318 123.317,54.864 123.317,53.467 123.19,53.34 118.491,53.34 118.11,53.784
GND on Top Layer "GND" (solid, pour order 7): 130.683,52.134 131.064,52.515 137.922,52.515 138.557,51.88 138.557,50.991 137.477,49.911 131.509,49.911 130.683,50.736
no net on Bottom Layer "VSOLARB" (solid, pour order 56): 26.035,128.397 27.432,129.794 148.971,129.794 150.114,128.651 150.114,27.178 148.463,25.527 27.305,25.527 25.654,27.178 25.654,44.958 27.051,46.355 32.766,46.355 33.528,47.117 33.528,111.76 32.744,112.544 26.648,112.544 25.908,113.284 26.035,113.411
NetC303B_1 on Bottom Layer "VBAT2" (solid, pour order 41): 80.264,50.673 81.534,51.943 81.534,73.914 82.804,75.184 107.34,75.184 107.569,74.898 107.569,74.073 107.34,73.787 85.217,73.787 83.185,71.755 83.185,50.292 82.06,49.167 69.832,49.167 69.342,49.657 69.342,50.292 69.723,50.673

## Keep-outs
Keep-Out Layer:
  lines w0.508: 146.304,130.302 148.59,130.302 cw(c148.59,129.032) 149.86,129.032 149.86,26.67 cw(c148.717,26.67) 148.717,25.527 ; 146.812,130.175 26.67,130.175 ccw(c26.67,128.905) 25.4,128.905 25.4,128.016 25.4,126.873 25.4,113.411 ccw(c26.67,113.411) 26.67,112.141 31.496,112.141 cw(c31.496,110.871) 32.766,110.871 32.766,47.879 cw(c31.496,47.879) 31.496,46.609 26.67,46.609 ccw(c26.67,45.339) 25.4,45.339 25.4,26.797 ccw(c26.67,26.797) 26.67,25.527 148.59,25.527

## Silkscreen, mask and mechanical layers (free items; w line width, h text height)
Top Overlay:
  text "C200" at 106.553,101.6 h1
  text "3V3" at 116.078,45.085 h1
  text "5V" at 121.412,44.958 h1